# Allegro board BRD_05101_01_rev_b01_aa.brd (continued)
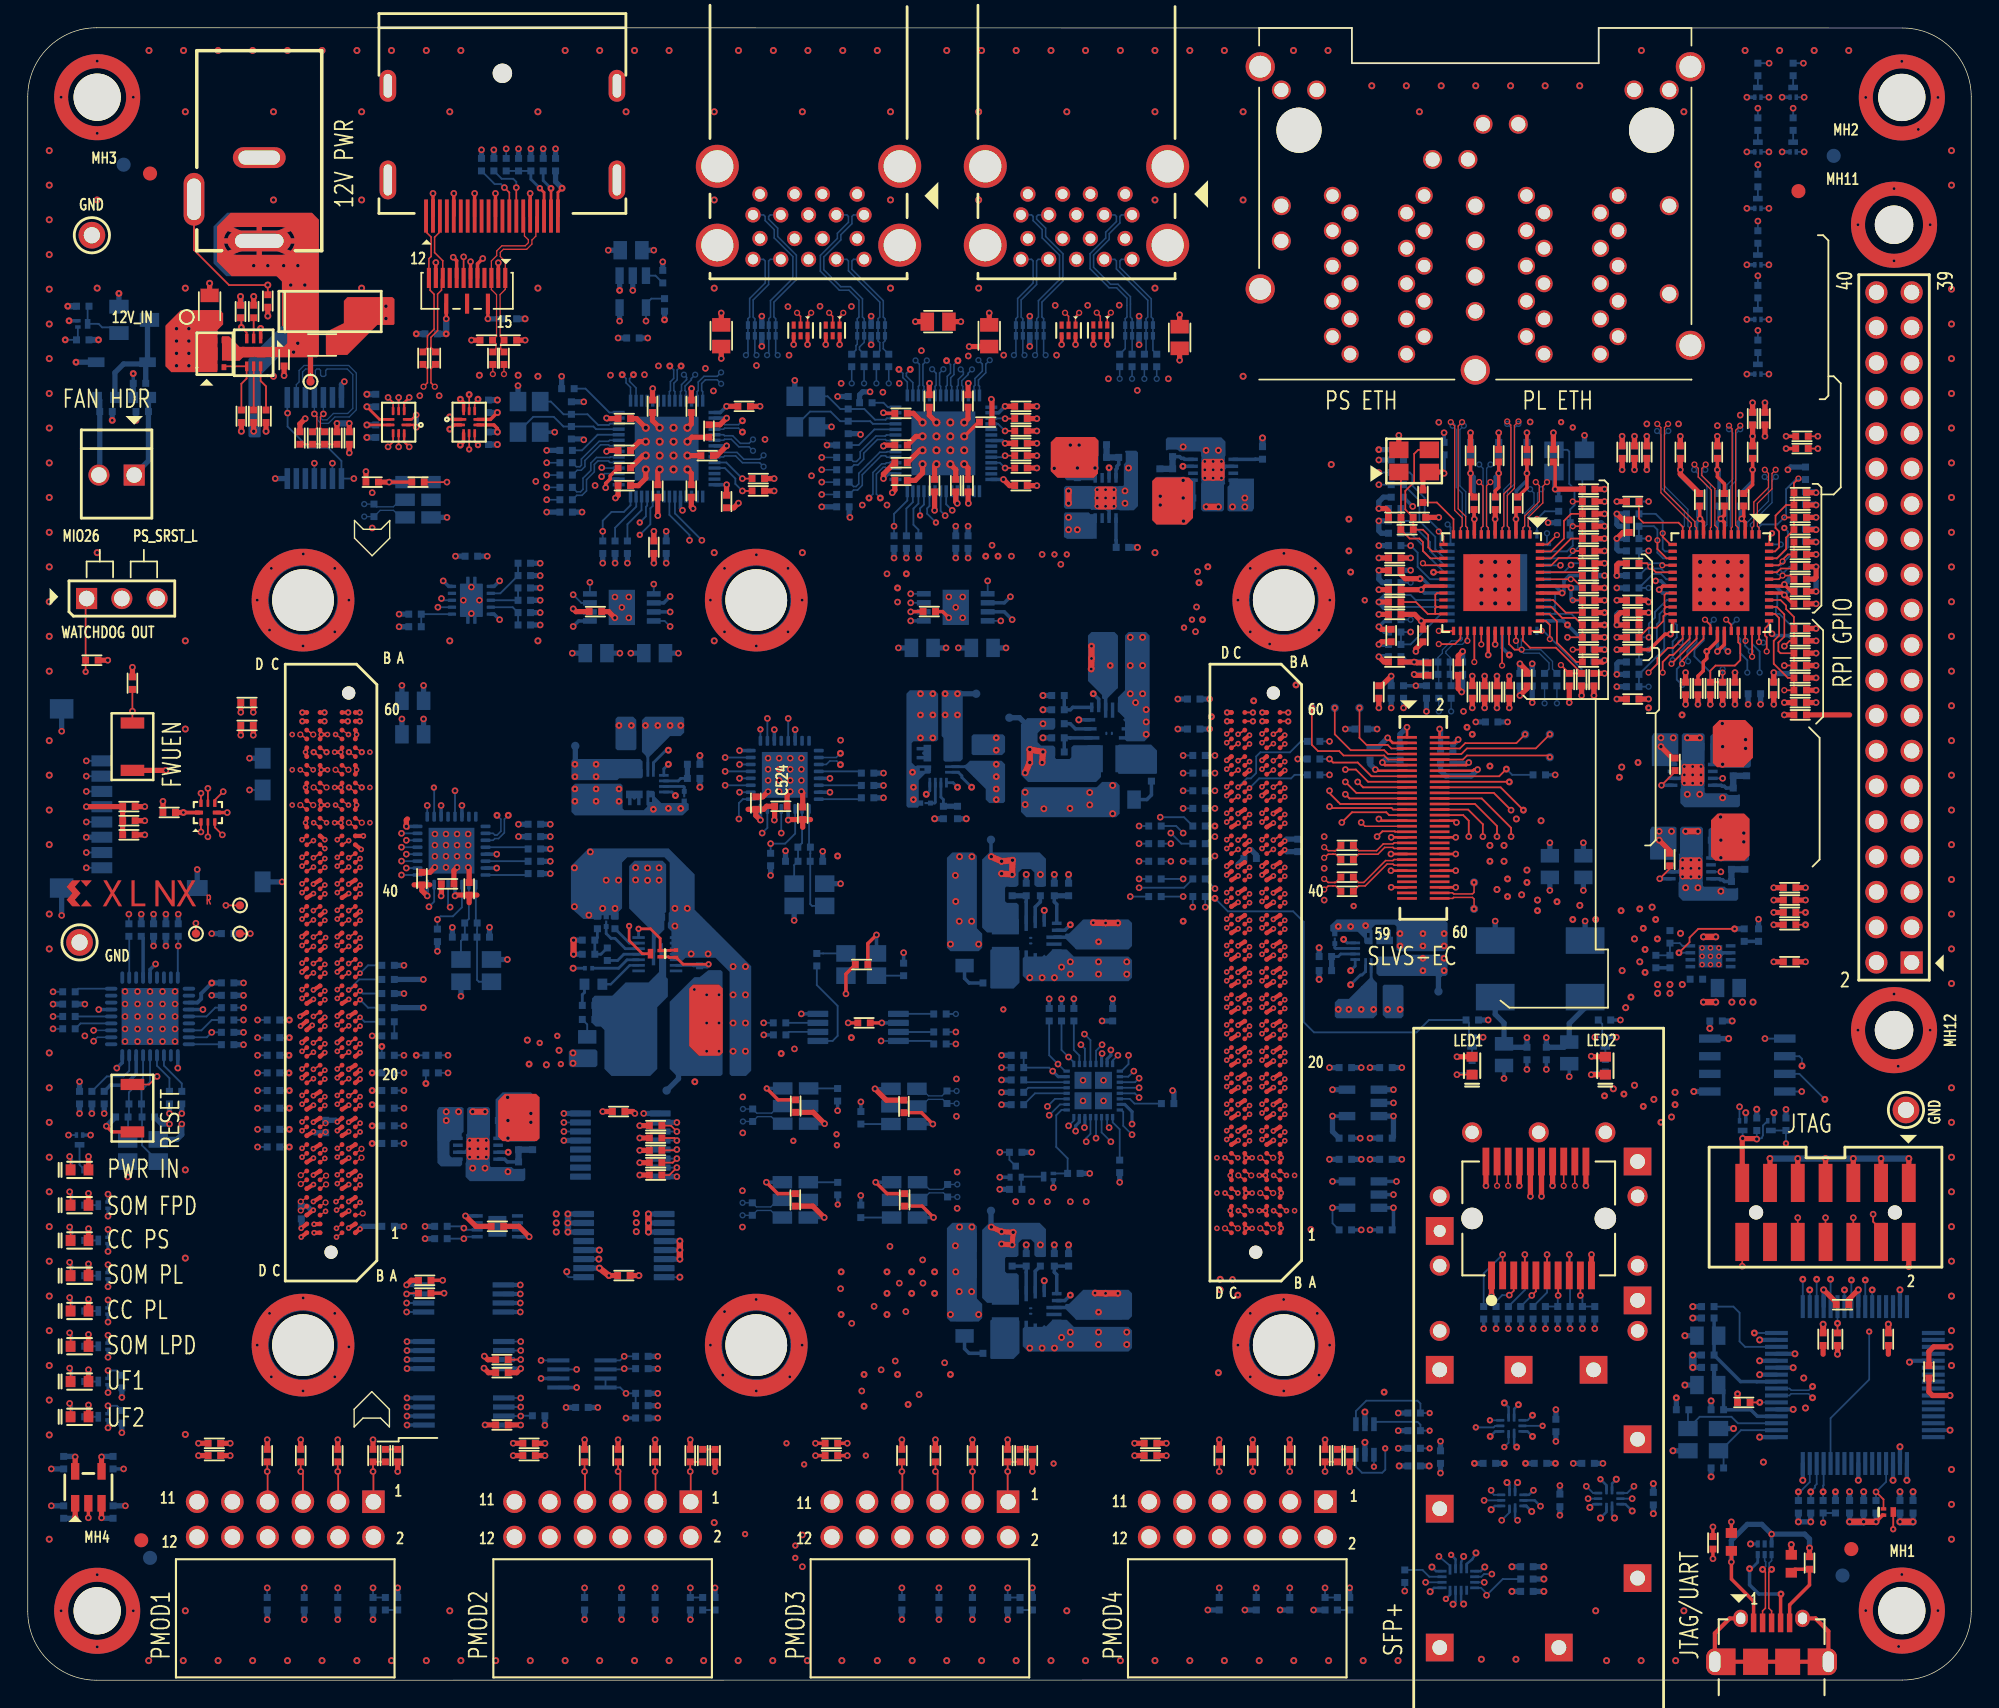
[diagram p0: board, top side]
## Routing (per net, layer and track width the routed paths; a pad name or vN(x,y) marks a point on that pad's centre or on a via; arc(x,y) is an arc through that point) (continued)
  L12_SIG w0.127: J17.1 5.57,105.01 ; J17.1 3.67,103.11 ; J17.1 3.67,105.01 ; J17.1 4.62,105.33 ; J17.1 5.57,103.11 ; J17.1 5.89,104.06 ; J17.1 3.35,104.06 ; J17.1 4.62,102.79
  L12_SIG w0.381: U46.22 82.12,111.13 ; U46.22 80.58,110.56 ; U46.22 84.23,109.02 ; U46.22 82.12,106.91 ; U46.22 83.66,110.56 ; U46.22 83.66,107.48 ; U46.22 80.01,109.02 ; U46.22 80.58,107.48 ; 59.62,11.15 J19.10 ; J19.10 59.34,10.31 ; J19.10 60.46,9.2 ; J19.10 61.58,10.31 ; J19.10 60.46,11.43 ; J19.10 61.3,11.15 ; J19.10 61.3,9.47 ; J19.10 59.62,9.47 ; 66.87,109.02 U46.19 ; U46.19 68.98,106.91 ; U46.19 67.44,107.48 ; U46.19 67.44,110.56 ; U46.19 68.98,111.13 ; U46.19 71.09,109.02 ; U46.19 70.52,107.48 ; U46.19 70.52,110.56 ; U44.20 49.67,105.45 ; U44.20 51.22,101.8 ; U44.20 48.13,104.88 ; U44.20 47.57,103.34 ; U44.20 49.67,101.23 ; U44.20 51.78,103.34 ; U44.20 51.22,104.88 ; U44.20 48.13,101.8 ; 52.11,107.66 U44.4 ; U44.4 53.57,107.02 ; U44.4 52.74,107.85 ; U44.4 51.92,107.02 ; U44.4 52.11,106.38 ; U44.4 53.38,107.66 ; U44.4 53.38,106.38 ; U44.4 52.74,106.19 ; 48.13,107.48 U44.19 ; U44.19 51.78,109.02 ; U44.19 49.67,111.13 ; U44.19 49.67,106.91 ; U44.19 47.57,109.02 ; U44.19 51.22,107.48 ; U44.19 51.22,110.56 ; U44.19 48.13,110.56 ; U46.20 70.52,101.8 ; U46.20 71.09,103.34 ; U46.20 68.98,105.45 ; U46.20 70.52,104.88 ; U46.20 68.98,101.23 ; U46.20 67.44,101.8 ; U46.20 66.87,103.34 ; U46.20 67.44,104.88 ; 60.71,109.02 U44.22 ; U44.22 64.36,107.48 ; U44.22 64.92,109.02 ; U44.22 62.81,106.91 ; U44.22 62.81,111.13 ; U44.22 61.27,110.56 ; U44.22 64.36,110.56 ; U44.22 61.27,107.48 ; 24.78,116.53 J6.23 ; J6.23 27.1,114.82 ; J6.23 25.94,116.53 ; J6.23 24.78,113.11 ; J6.23 24.78,114.82 ; J6.23 27.1,113.11 ; J6.23 25.94,113.11 ; J6.23 27.1,116.53 ; U44.21 64.36,104.88 ; U44.21 61.27,101.8 ; U44.21 64.36,101.8 ; U44.21 62.81,105.45 ; U44.21 62.81,101.23 ; U44.21 64.92,103.34 ; U44.21 60.71,103.34 ; U44.21 61.27,104.88 ; U46.13 72.88,103.82 ; U46.13 71.41,103.18 ; U46.13 72.05,104.65 ; U46.13 72.69,104.46 ; U46.13 72.69,103.18 ; U46.13 72.05,102.99 ; U46.13 71.41,104.46 ; U46.13 71.22,103.82 ; 71.41,107.66 U46.4 ; U46.4 72.69,107.66 ; U46.4 72.88,107.02 ; U46.4 71.41,106.38 ; U46.4 72.69,106.38 ; U46.4 72.05,106.19 ; U46.4 71.22,107.02 ; U46.4 72.05,107.85 ; U44.16 56.88,101.68 ; U44.16 56.88,102.96 ; U44.16 56.24,101.49 ; U44.16 56.24,103.15 ; U44.16 57.07,102.32 ; U44.16 55.61,101.68 ; U44.16 55.42,102.32 ; U44.16 55.61,102.96 ; J19.9 61.3,13.69 ; J19.9 61.58,12.85 ; J19.9 59.62,13.69 ; J19.9 60.46,13.97 ; J19.9 59.34,12.85 ; J19.9 59.62,12.01 ; J19.9 61.3,12.01 ; J19.9 60.46,11.74 ; 41.28,114.82 J6.22 ; J6.22 43.6,116.53 ; J6.22 41.28,116.53 ; J6.22 43.6,113.11 ; J6.22 41.28,113.11 ; J6.22 42.44,113.11 ; J6.22 43.6,114.82 ; J6.22 42.44,116.53 ; J20.10 83.32,11.43 ; J20.10 84.16,9.47 ; J20.10 82.2,10.31 ; J20.10 84.44,10.31 ; J20.10 84.16,11.15 ; J20.10 83.32,9.2 ; J20.10 82.48,9.47 ; J20.10 82.48,11.15 ; 52.11,103.18 U44.13 ; U44.13 53.38,103.18 ; U44.13 51.92,103.82 ; U44.13 52.11,104.46 ; U44.13 52.74,102.99 ; U44.13 52.74,104.65 ; U44.13 53.38,104.46 ; U44.13 53.57,103.82 ; 75.55,101.49 U46.16 ; U46.16 75.55,103.15 ; U46.16 76.19,101.68 ; U46.16 76.38,102.32 ; U46.16 74.72,102.32 ; U46.16 74.91,101.68 ; U46.16 74.91,102.96 ; U46.16 76.19,102.96 ; 14.22,109.65 J12.2 ; J12.2 14.22,108.34 ; J12.2 19.14,110.96 ; J12.2 16.68,108.34 ; J12.2 14.22,110.96 ; J12.2 16.68,110.96 ; J12.2 19.14,108.34 ; J12.2 19.14,109.65 ; 82.48,13.69 J20.9 ; J20.9 84.16,12.01 ; J20.9 84.16,13.69 ; J20.9 83.32,11.74 ; J20.9 83.32,13.97 ; J20.9 84.44,12.85 ; J20.9 82.48,12.01 ; J20.9 82.2,12.85 ; 13.9,11.15 J2.10 ; J2.10 14.74,9.2 ; J2.10 15.86,10.31 ; J2.10 15.58,11.15 ; J2.10 13.9,9.47 ; J2.10 15.58,9.47 ; J2.10 14.74,11.43 ; J2.10 13.62,10.31 ; 74.91,104.88 U46.7 ; U46.7 74.72,105.52 ; U46.7 76.38,105.52 ; U46.7 76.19,106.16 ; U46.7 76.19,104.88 ; U46.7 75.55,106.35 ; U46.7 75.55,104.69 ; U46.7 74.91,106.16 ; 80.58,101.8 U46.21 ; U46.21 82.12,101.23 ; U46.21 82.12,105.45 ; U46.21 83.66,101.8 ; U46.21 84.23,103.34 ; U46.21 80.01,103.34 ; U46.21 80.58,104.88 ; U46.21 83.66,104.88 ; J6.24 26.85,106.33 ; J6.24 25.04,106.33 ; J6.24 25.94,109.74 ; J6.24 25.04,109.74 ; J6.24 26.85,108.04 ; J6.24 25.04,108.04 ; J6.24 26.85,109.74 ; J6.24 25.94,106.33 ; 41.54,109.74 J6.21 ; J6.21 43.35,108.04 ; J6.21 42.44,109.74 ; J6.21 43.35,109.74 ; 55.61,106.16 U44.7 ; U44.7 56.88,106.16 ; U44.7 56.24,104.69 ; U44.7 55.42,105.52 ; U44.7 57.07,105.52 ; U44.7 55.61,104.88 ; U44.7 56.24,106.35 ; U44.7 56.88,104.88 ; J2.9 15.58,12.01 ; J2.9 14.74,13.97 ; J2.9 13.62,12.85 ; J2.9 15.86,12.85 ; J2.9 15.58,13.69 ; J2.9 13.9,12.01 ; J2.9 14.74,11.74 ; J2.9 13.9,13.69
  BOTTOM w0.178: v2(105.35,17.56) 105.71,17.92 U71.3 ; U22.10 103.26,5.67 v7(103.44,5.49) ; U22.5 104.66,7.85 v7(104.96,8.15) ; v7(105.42,12.28) 105.69,12.55 U25.3 ; v5(107.32,11.52) 107.14,11.7 U25.1 ; v7(112.53,12.44) 112.77,12.68 U64.3 ; v7(113.29,11.68) 113.73,12.11 U64.2 ; U22.16 101.45,7.85 v7(101.15,8.15) ; U22.11 102.86,5.65 v7(102.67,5.47) ; U64.1 114.13,11.86 v7(114.31,11.68)
  BOTTOM w0.203: U4.1 v2(96.37,54.34) ; v2(63.74,65.39) U5.1 ; U3.1 v2(45.07,62.72)
  BOTTOM w0.229: v5(77.39,45.13) 77.35,45.1 U19.30 ; U19.14 76.15,39.83 v5(76.12,39.8) ; Q17.2 v5(5.78,23.25) ; Q7.2 v5(5.78,33.41) ; Q8.2 v5(5.78,30.87) ; Q10.2 v5(5.78,25.79) ; Q23.2 v5(5.78,18.17) ; Q9.2 v5(5.78,28.33) ; Q22.2 v5(5.78,20.71)
  BOTTOM w0.254: C434.2 v5(106.35,43.33) ; C435.2 v5(108,43.99) ; U10.6 77.89,84.24 77.79,84.35 77.79,84.99 v8(77.64,85.14) ; U38.28 v5(10.81,44.08) ; Q25.2 v5(104.84,46.3) ; Q32.2 v5(123.84,94.06) ; v2(47.04,62.78) 47.29,63.04 Z4.1 ; U92.2 v5(58.94,49.43) ; R476.2 v5(114.73,47.54) ; C444.2 124.25,86.35 v5(124.25,87.17) C471.2 ; U14.11 v7(41.14,30.33) ; R31.2 41.06,54.99 ; C503.2 v5(105.96,86.91) 105.71,86.66 C167.2 ; v8(85.39,87.17) 85.53,87.31 86.18,87.31 86.29,87.42 86.84,87.42 ; U9.6 119.04,64.95 119.15,65.05 119.79,65.05 v8(119.93,65.2) ; R418.2 97.84,76.37 v5(97.33,75.87) 97.71,75.48 R423.2 ; Q26.2 v5(114.44,46.3) ; Z2.1 94.15,54.02 v2(94.41,54.28) ; v8(119.81,58.47) 119.67,58.32 119.02,58.32 118.91,58.22 118.36,58.22 ; X1.4 v7(124.11,9.81) ; R427.2 110.28,85.52 v5(110.03,85.77) 109.94,85.86 109.94,87 ; U75.4 v5(36.12,31.94) ; Q13.2 v7(123.76,40.87) ; Z1.1 41.67,55.33 v7(41.41,55.58) ; Q29.2 v5(123.84,114) ; R332.2 v5(95.99,39.04) ; C64.2 v5(43.09,18.88) ; R343.1 v5(109.33,25.32) ; C491.2 107.23,85.64 108,86.41 v5(108,86.91) C509.2 ; X11.2 v5(7.2,36.24) ; C433.2 v5(109.39,43.99) ; v5(39.29,75.88) 39.69,76.28 U45.1 ; Q30.2 v5(123.84,110.06) ; U91.4 v5(55.73,47.99) ; C473.2 v5(121.71,87.17) 121.84,87.04 C461.2 ; v5(33.99,76.37) 33.59,76.77 U13.5 ; C493.2 v5(102.03,86.91) ; U83.23 v5(57.79,63.95) ; Q31.2 v5(123.84,101.93) ; U11.6 122.12,52.38 122.01,52.28 121.36,52.28 v8(121.22,52.13) ; U85.3 v5(27.32,19.68) ; R344.1 v5(111.99,25.32) ; Q27.2 v5(126.38,110.06) ; Q12.2 v7(125.79,40.87) ; U89.3 v5(57.4,40.08) ; U87.3 v5(57.38,33.32) ; U74.2 v5(98.38,41.58) ; C469.2 v5(119.05,87.17) 119.05,86.73 C445.2 ; U88.3 v5(61.03,42.59) ; v8(32.43,38.27) 32.29,38.13 31.64,38.13 31.54,38.02 U7.6 ; U24.47 v7(138.47,18.01) ; C492.2 v5(103.93,86.91) 104.19,86.66 C160.2 ; Q28.2 v5(123.84,97.99) ; U47.1 v5(63.6,76.29) ; Q3.2 v5(126.38,114) ; U85.4 v5(27.32,20.33) ; Z5.1 64.05,63.17 ; Q4.2 v5(123.84,106) ; Q34.2 v5(73.88,35.47) ; Q20.2 v2(2.98,97.9) ; U16.1 v5(39.54,21.08) ; U85.1 v5(27.32,18.38) ; C432.2 v5(111.04,43.46) ; U90.3 v5(61.08,35.86) ; U73.2 v5(98.38,34.97) ; X13.2 v5(37.96,89.88) ; R167.2 v5(6.9,15.22) ; U37.23 v5(33.78,58.49) ; R328.2 v5(96.06,32.43) ; Q6.2 v5(4.52,39.26)
  BOTTOM w0.305: U24.10 v7(124.76,22.01) ; U24.11 v7(127.17,22.51) ; U24.13 v7(127.3,23.51) ; U24.15 v7(124.76,24.51) ; U76.2 v5(35.48,27.82) ; U24.25 v7(131.87,28.11) ; U15.3 v5(27.32,23.74) ; U24.35 v7(138.47,24.01) ; U76.4 v5(35.48,26.52) ; U15.4 v5(27.32,24.39) ; U76.3 v5(35.48,27.17) ; U15.2 v5(27.32,23.09) ; U24.51 v7(134.37,14.4) ; U24.5 v7(127.17,19.51) ; U24.1 v7(124.76,17.51)
  BOTTOM w0.381: C278.1 v5(37.64,59.86) ; R134.2 15.39,99.59 v7(15.33,99.65) ; R291.2 v7(71.93,58.02) ; J11.11 v5(12.21,58.38) ; C415.2 v5(92.63,5.06) ; v1(87.19,58.6) 87.19,58.76 C585.2 ; U14.4 v7(46.97,31.63) ; C413.2 v5(95.23,6.65) ; C393.2 v5(45.19,4.36) ; C152.2 v5(104.95,70.02) ; C448.2 128.7,79.29 128.82,79.17 128.82,78.41 v5(128.83,78.41) C482.2 ; C82.2 v7(121.26,20.11) ; C52.2 v5(36.91,75.99) ; C490.2 113.52,74.28 v5(113.59,74.21) ; C265.2 v5(44.66,96.66) ; C554.2 113.33,83.36 v5(113.59,83.1) ; C562.2 v5(5.51,40.81) ; C430.2 v5(96.06,44.12) ; C290.2 v5(37.38,84.12) ; C380.2 v5(17.25,4.36) ; C90.2 v7(132.25,11.41) v7(133.14,11.41) R262.2 ; C439.2 128.77,82.02 v5(128.83,81.96) ; R473.2 v5(6.78,20.36) ; C583.2 v5(82.85,68.5) ; C91.2 v5(110.37,11.88) ; R424.2 v5(99.87,72.44) ; R428.2 v5(4.62,40.81) ; C273.2 v5(37.64,60.75) ; C478.2 114.6,76.88 114.47,76.75 114.47,75.99 v5(114.47,75.99) C463.2 ; C80.2 v7(109.22,8.17) ; C574.2 v5(9.95,55.17) ; C329.2 v5(38.78,19.64) ; R377.2 126.99,87.36 v5(126.79,87.17) ; C566.2 v5(30.58,54.21) ; U14.5 v7(46.97,30.98) ; X14.4 v5(58.55,57.36) ; C395.2 v5(42.78,4.36) ; C387.2 v5(1.7,12.56) ; C499.2 v5(99.11,70.02) ; v5(128.83,85.52) 128.76,85.59 C453.2 ; X2.4 v7(122.88,18.12) ; C486.2 v5(114.47,74.21) ; R489.2 v5(72.31,38.02) ; 119.6,16.52 v7(118.52,16.52) ; C103.2 v7(121.26,14.65) ; R419.2 v5(97.33,84.37) 97.33,84.87 97.65,85.19 R420.2 ; C104.2 v2(118.76,20.34) ; R51.2 v5(36.91,78.66) ; C407.2 v5(68.05,4.36) ; C560.2 v5(15.54,49.32) ; C83.2 v7(119.95,22.53) ; v5(97.58,66.09) 97.77,66.27 C542.2 ; R438.2 v5(64.18,80.82) ; C163.2 v5(97.33,79.93) 97.33,79.93 97.33,79.29 97.58,79.04 R417.2 ; C479.2 v5(115.74,89.58) ; C531.2 v5(67.74,80.82) ; U67.3 v5(60.75,98.23) ; C572.2 v5(58.34,92.44) ; R162.2 v5(27.1,51.48) ; C365.2 v5(38.02,110.28) ; R117.2 v5(113.58,75.1) ; R202.2 v5(33.57,110.21) ; X14.2 v5(55.21,54.72) ; C575.2 v5(112.06,60.31) ; U68.8 v5(80.06,96.17) ; C487.2 v5(97.33,73.71) ; R367.2 v5(114.47,82.22) 114.47,82.21 114.47,81.45 114.6,81.33 R366.2 ; C102.2 v7(100.96,15.43) ; R439.2 v5(63.29,80.82) ; C92.2 v7(109.22,6.4) ; J11.6 v5(4.22,60.71) ; C538.2 v5(106.6,69.01) ; U18.2 v5(46.76,40.16) ; J11.12 v5(18.32,57.49) ; R390.2 v5(128.83,73.07) ; R43.2 v7(71.93,31.35) ; C571.2 v5(57.27,59.69) ; C481.2 v5(114.47,77.77) ; C475.2 v5(114.47,70.66) ; U68.3 v5(80.06,98.23) ; C428.2 v5(96.06,37.51) ; C522.2 v5(57.2,84.5) ; C266.2 v5(45.1,102.98) ; R222.2 v5(37.38,88.57) ; C540.2 96.69,65.96 v5(97.07,65.58) ; C584.2 v5(82.85,70.66) ; R174.2 v5(35.35,110.28) ; R50.2 v5(26.75,75.87) ; C100.2 v5(101.77,17.21) ; C532.2 v5(37.64,61.64) ; R475.2 v5(105.2,47.54) ; C311.2 v5(39.23,73.96) ; R213.2 v5(37.64,58.09) ; U23.2 v7(96.33,19.32) ; C210.2 v2(7.79,90.73) ; C366.2 v5(36.24,110.28) ; C559.2 v5(1.82,48.69) ; X15.2 v5(57.9,90.26) ; C285.2 v5(45.1,80.45) ; C85.2 v7(119.95,26.08) ; X15.4 v5(55.25,93.6) ; C553.2 v5(109.52,83.36) ; U86.3 v5(30.2,83.74) ; R26.2 v7(67.61,62.04) ; C391.2 v5(47.73,4.36) ; C98.2 v7(131.24,11.41) ; C50.2 v5(33.1,80.95) ; C431.2 v5(96.69,44.12) ; C84.2 v7(119.95,23.41) ; C558.2 v5(15.54,50.22) ; U33.2 v5(43.58,100.09) ; R44.2 v5(27.1,32.69) ; C539.2 101.77,65.5 102.15,65.12 103.98,65.12 v5(104.44,65.58) ; C353.2 v5(28.51,69.22) ; C81.2 v2(110.05,15.62) ; R42.2 v7(73.95,31.35) ; R2.2 v7(73.13,67.86) ; C561.2 v5(3.73,40.81) ; R163.2 v5(28.49,50.47) ; R458.2 C154.2 v5(112.82,70.91) ; R292.2 v7(73.95,58.02) ; C344.2 v5(24.81,46.4) ; C354.2 v5(28.51,71.64) ; C101.2 v2(104.21,15.62) ; U14.6 v7(46.97,30.33) ; C312.2 v5(46.87,73.96) ; C483.2 v5(125.14,92) ; R402.2 v5(114.47,84.88) ; R5.2 v7(73.13,69.89) ; C409.2 v5(65.64,4.36) ; C314.2 v5(70.47,74.34) ; R200.2 v5(37.13,110.28) ; v1(90.55,60.44) 90.68,60.57 C586.2 ; C570.2 v5(54.59,59.72) ; U18.1 v5(44.37,40.81) ; C175.2 v5(8.17,55.17) ; C468.2 v5(116.63,87.17) ; C573.2 59.93,89.77 v5(59.99,89.71) ; C568.2 v5(40.05,92.06) ; v5(27.98,90.23) v5(27.98,91.12) ; R165.2 v5(28.49,48.43) ; U69.3 v5(72.18,98.23) ; R116.2 v5(113.59,77.77) ; C485.2 v5(125.78,70.28) ; C399.2 v5(40.11,4.36) ; U66.3 v5(52.88,98.23) ; C423.2 v5(85.01,5.06) ; X11.4 10.75,38.95 11.1,39.29 v5(11.1,40.05) ; C401.2 v5(72.37,6.65) ; C465.2 v5(128.83,70.4) ; R465.2 v5(11.09,40.81) ; U69.8 v5(72.18,96.06) ; R396.2 v5(122.09,70.28) ; R263.2 v5(13.25,53.77) ; X13.4 v5(35.31,93.22) ; v5(113.58,79.55) C501.2 C497.2 ; C500.2 113.54,81.28 v5(113.59,81.33) ; C86.2 v7(122.78,47.47) ; C541.2 v5(94.91,68.5) ; R241.2 v7(109.22,7.29) ; C543.2 103.74,66.02 v5(103.81,66.09) ; v5(40.05,89.33) 39.99,89.39 C569.2 ; 6.57,98.91 v2(6.57,99.87) ; U29.7 v5(17.83,86.53) ; R441.2 v5(57.58,88.95) ; C373.2 v5(24.87,4.36) ; J11.9 v5(2.44,68.34) ; R487.2 v5(37.25,18.36) ; C508.2 v5(98.22,70.02) ; v5(123.93,70.28) C442.2 ; C75.2 v5(78.15,49.07) ; C533.1 v5(61.64,65.32) ; U66.8 v5(52.88,96.06) ; R432.2 v5(61.64,63.55) ; C429.2 v5(96.69,37.51) ; C51.2 v5(36.91,80.44) ; X12.4 v5(34.55,51.9) ; C582.2 20.14,34.13 20.42,33.85 v1(20.57,33.85) ; C484.2 v5(124.25,92) ; X9.4 v5(112.14,89.65) ; C73.2 v5(45.38,19.77) ; R422.2 103.37,71.24 v5(103.3,71.17) ; v5(10.21,40.05) 9.64,40.05 C564.2 ; C95.2 v7(135.81,11.41) ; C355.2 v7(134.87,11.41) ; U18.8 v5(46.76,36.26) ; C419.2 v5(90.22,5.06) ; C378.2 v5(19.92,4.36) ; C548.2 v5(70.15,45) ; C176.2 v5(9.06,55.17) ; C105.2 v7(117.1,14.16) ; C304.2 v5(45.99,80.45) ; C466.2 v5(122.98,70.28) ; J11.14 v5(15.98,66.4) ; C421.2 v5(87.68,5.06) ; U26.5 v7(120.02,42.39) ; C498.2 v5(107.49,70.91) ; R219.2 v5(43.2,80.45) ; C99.2 v5(111.33,15.62) ; J11.10 v5(2.44,55.08) ; R440.2 59.92,92.56 60.14,92.78 v5(60.68,92.78) ; C375.2 v5(22.33,4.36) ; C356.2 v5(110.08,19.49) ; C502.2 v5(108.38,70.4) ; C371.2 v5(26.65,6.65) ; C403.2 v5(70.59,4.36) ; R369.2 v5(114.47,71.55) ; R203.2 v5(32.69,110.21) ; R389.2 v5(128.83,74.85) ; C576.2 v5(109.65,60.31) ; C313.2 v5(62.72,74.34) ; C389.2 v5(49.51,6.65) ; X12.2 v5(31.2,49.26) ; C563.2 v5(5.66,39.9) ; C521.2 v5(66.85,80.82) ; C89.2 v5(124.68,54.8) ; C411.2 v5(62.97,4.36) ; R421.2 v5(97.33,87.87) ; v1(20.58,39.51) 20.67,39.42 C581.2 ; C489.2 v5(100.76,69.77) ; C209.2 v2(6.08,90.73) ; C470.2 v5(114.85,89.58) ; C567.2 v5(33.26,54.22) ; C155.2 v5(105.84,70.02) ; R221.2 v5(38.46,93.9) ; C237.2 v5(1.7,15.22) ; R474.2 v5(6.78,17.82) ; R16.2 v7(48.42,66.59) ; R20.2 v7(93.03,50.47) ; R164.2 v5(27.1,49.45) ; U67.8 v5(60.75,96.17) ; C153.2 v5(97.33,80.82)
  BOTTOM w0.432: C109.2 v7(24.43,92.61) ; C270.2 v7(35.82,98.04) ; C108.2 v7(24.43,89.5) ; R261.2 v2(5.09,96.52) ; C115.2 v7(33.83,88.99) ; C269.2 v2(27.99,96.96) ; C114.2 v7(33.83,92.19)
  BOTTOM w0.457: v7(135.51,37.57) v7(133.51,37.57) v7(131.51,37.57) v7(129.51,37.57) v7(127.51,37.57) v7(125.51,37.57) ; v7(46.97,30.33) v7(46.97,30.98) v7(46.97,31.63)
  BOTTOM w0.559: v7(135.81,11.41) v7(134.87,11.41) ; v7(132.25,11.41) v7(131.24,11.41) ; v7(119.95,23.41) v7(119.95,22.53)
  vias: v2(39.42,64.18) v2(39.42,63.29) v2(40.94,64.18) v2(40.94,63.29) v2(42.59,64.18) v2(42.59,63.29) v2(46.15,62.78) v2(63.8,64.31) v2(63.8,63.42) v2(64.31,71.04) v2(64.31,69.52) v2(64.31,67.86) v2(65.2,71.04) v2(65.2,69.52) v2(65.2,67.86) v2(95.3,54.28) v2(97.96,48.31) v2(98.85,53.77) v2(98.85,52.88) v2(98.85,48.31) v2(100.5,53.77) v2(100.5,52.88) v2(102.03,53.77) v2(102.03,52.88) v5(4.11,46.4) v5(7.01,49.6) v5(7.01,48.7) v5(7.01,47.8) v5(7.01,46.9) v5(7.01,46) v5(7.91,49.6) v5(7.91,48.7) v5(7.91,47.8) v5(7.91,46.9) v5(7.91,46) v5(8.81,49.6) v5(8.81,48.7) v5(8.81,47.8) v5(8.81,46.9) v5(8.81,46) v5(9.71,49.6) v5(9.71,48.7) v5(9.71,47.8) v5(9.71,46.9) v5(9.71,46) v5(10.61,49.6) v5(10.61,48.7) v5(10.61,47.8) v5(10.61,46.9) v5(10.61,46) v5(24.81,85.52) v5(24.81,82.98) v5(28.24,92.5) v5(29.33,60.94) v5(29.33,60.14) v5(29.33,59.34) v5(29.64,92.5) v5(30.13,60.94) v5(30.13,60.14) v5(30.13,59.34) v5(30.13,58.54) v5(30.93,60.94) v5(30.93,60.14) v5(30.93,59.34) v5(31.38,77.77) v5(31.73,60.94) v5(31.73,60.14) v5(31.73,59.34) v5(31.96,78.72) v5(31.96,76.82) v5(32.53,77.77) v5(36.6,86.33) v5(40.87,86.04) v5(41.98,93.98) v5(42.3,78.01) v5(42.8,77.26) v5(43.3,78.01) v5(43.3,76.51) v5(44.43,94.02) v5(45.43,94.65) v5(48.82,94.47) v5(49.39,92.85) v5(51.51,42.01) v5(51.51,39.42) v5(51.48,35.25) v5(51.48,32.63) v5(52.49,94.68) v5(53.11,89.36) v5(53.33,66.4) v5(53.33,65.6) v5(53.33,64.8) v5(54.13,66.4) v5(54.13,65.6) v5(54.13,64.8) v5(54.13,64) v5(54.76,98.92) v5(54.84,95.42) v5(54.93,66.4) v5(54.93,65.6) v5(54.93,64.8) v5(55.23,45.46) v5(55.73,66.4) v5(55.73,65.6) v5(55.73,64.8) v5(55.8,10.46) v5(55.8,8.17) v5(56.46,86.74) v5(57.07,98.94) v5(58.59,93.39) v5(58.56,67.69) v5(58.56,28.19) v5(59.33,98.93) v5(59.36,25.7) v5(60.12,84.63) v5(60.08,20.83) v5(60.97,26.92) v5(61.48,22.35) v5(61.6,92.75) v5(61.9,84.63) v5(61.9,79.68) v5(62.11,31.24) v5(62.49,22.99) v5(62.66,77.64) v5(62.78,93.39) v5(62.78,28.6) v5(63.25,26.54) v5(64.21,20.57) v5(64.38,95.75) v5(64.47,30.27) v5(64.49,28.6) v5(66.05,22.86) v5(66.35,78.01) v5(66.85,77.26) v5(66.9,43.3) v5(66.9,40.61) v5(66.95,36.6) v5(66.95,33.98) v5(67.35,78.01) v5(67.35,76.51) v5(67.75,95.36) v5(69.47,81.73) v5(70.3,95.42) v5(70.86,80.95) v5(73.07,81.07) v5(74.01,99.01) v5(74.11,95.42) v5(74.42,80.36) v5(76.02,43.2) v5(76.02,41.73) v5(76.35,99.01) v5(77.49,43.2) v5(77.49,41.73) v5(77.85,93.72) v5(78.63,99.02) v5(79.93,92.88) v5(82.17,93.72) v5(84.12,75.51) v5(84.2,77.29) v5(84.27,79.83) v5(93.39,60.75) v5(93.39,58.47) v5(93.39,56.18) v5(101.65,90.59) v5(103.42,69.77) v5(108.23,90.61) v5(116.63,90.47) v5(118.92,90.47) v5(121.71,90.34) v5(123.36,91.11) v6(2.4,114) v6(2.4,5) v6(5,116.6) v6(5,111.4) v6(5,7.6) v6(5,2.4) v6(7.6,114) v6(7.6,5) v6(16.53,77.78) v6(16.53,24.13) v6(17.42,75.62) v6(17.42,26.42) v6(17.54,80.07) v6(17.54,21.85) v6(19.83,74.48) v6(19.83,20.83) v6(22.12,80.07) v6(22.12,75.5) v6(22.12,26.42) v6(22.12,21.85) v6(23.13,77.78) v6(23.13,24.01) v6(49.18,77.78) v6(49.18,24.13) v6(50.07,21.97) v6(50.19,80.07) v6(50.19,75.5) v6(50.19,26.55) v6(52.48,74.48) v6(52.48,20.83) v6(54.77,80.07) v6(54.77,75.5) v6(54.89,26.42) v6(54.89,21.85) v6(55.78,77.78) v6(55.78,24.13) v6(86.79,28.88) v6(87.18,77.78) v6(87.18,24.13) v6(88.07,80.07) v6(88.07,75.5) v6(88.07,26.42) v6(88.07,21.85) v6(89.46,74.62) v6(90.48,20.83) v6(92.77,80.07) v6(92.89,26.42) v6(93.02,75.62) v6(93.02,21.97) v6(93.79,77.78) v6(93.78,24.13) v6(131.84,104.81) v6(131.84,46.81) v6(132.4,113.98) v6(132.4,5.01) v6(134.44,107.41) v6(134.44,102.21) v6(134.44,49.41) v6(134.74,44.21) v6(135,116.58) v6(135,7.61) v6(136.19,111.68) v6(137.04,104.81) v6(137.04,46.81) v6(137.6,113.98) v6(137.6,5.01) v7(1.55,110.15) v7(1.55,107.66) v7(1.55,105.17) v7(1.55,102.66) v7(1.55,100.17) v7(1.55,97.66) v7(1.55,95.17) v7(1.55,92.66) v7(1.55,90.17) v7(1.55,87.66) v7(1.55,85.17) v7(1.55,82.66) v7(1.55,80.17) v7(1.55,77.66) v7(1.55,75.17) v7(1.55,72.66) v7(1.55,67.66) v7(1.55,65.17) v7(1.55,62.66) v7(1.55,60.17) v7(1.55,55.17) v7(1.55,52.66) v7(1.55,45.17) v7(1.55,42.66) v7(1.55,40.17) v7(1.55,37.66) v7(1.55,35.17) v7(1.55,32.66) v7(1.55,30.17) v7(1.55,27.66) v7(1.55,25.17) v7(1.55,22.66) v7(1.55,20.17) v7(1.55,17.66) v7(1.55,10.15) v7(5,106.6) v7(5,100.25) v7(5,81.2) v7(8.73,117.36) v7(8.71,1.41) v7(11.22,117.36) v7(11.2,1.41) v7(11.35,112.95) v7(11.35,100.25) v7(11.35,74.85) v7(11.35,68.5) v7(11.35,36.75) v7(11.35,30.4) v7(11.35,17.7) v7(11.35,5) v7(13.71,117.36) v7(13.71,1.41) v7(16.2,117.36) v7(16.2,1.41) v7(17.7,112.95) v7(17.7,106.6) v7(17.7,93.9) v7(18.71,117.36) v7(18.71,1.41) v7(21.2,117.36) v7(21.2,1.41) v7(23.71,117.36) v7(23.71,1.41) v7(24.05,112.95) v7(24.05,106.6) v7(24.05,100.25) v7(25.8,98.95) v7(25.8,98.06) v7(26.2,117.36) v7(26.2,1.41) v7(28.71,117.36) v7(28.71,1.41) v7(30.4,112.95) v7(30.4,74.85) v7(30.4,5) v7(31.2,117.36) v7(31.2,1.41) v7(32.05,36.88) v7(32.53,93.98) v7(32.94,36.88) v7(33.71,1.41) v7(34.59,36.62) v7(35.33,93.98) v7(35.99,46.1) v7(36.2,1.41) v7(36.75,112.95) v7(36.75,100.25) v7(36.75,93.9) v7(36.75,74.85) v7(37.36,44.32) v7(38.27,45.36) v7(38.71,117.36) v7(38.71,1.41) v7(39.28,45.17) v7(39.28,44.43) v7(39.38,58.5) v7(39.38,55.71) v7(40.42,55.1) v7(40.53,59.65) v7(41.2,117.36) v7(41.2,1.41) v7(41.67,57.61) v7(42.3,55.58) v7(42.56,57.61) v7(43.1,112.95) v7(43.71,117.36) v7(43.71,1.41) v7(46.2,117.36) v7(46.2,1.41) v7(46.62,55.58) v7(46.62,54.31) v7(47.51,55.58) v7(47.79,52.31) v7(48.69,1.41) v7(49.01,52.31) v7(49.45,112.95) v7(49.45,106.6) v7(49.45,100.25) v7(49.45,81.2) v7(49.45,74.85) v7(49.45,11.35) v7(50.81,51.39) v7(50.81,49.36) v7(50.81,47.33) v7(50.81,45.3) v7(51.2,117.36) v7(51.18,1.41) v7(51.7,51.39) v7(51.7,49.36) v7(51.7,47.33) v7(51.7,45.3) v7(53.71,117.36) v7(53.67,1.41) v7(55.8,112.95) v7(55.8,81.2) v7(56.2,117.36) v7(56.16,1.41) v7(58.65,1.41) v7(58.71,117.36) v7(61.2,117.36) v7(61.2,1.41) v7(62.15,112.95) v7(62.15,106.6) v7(62.15,100.25) v7(63.71,1.41) v7(66.2,117.36) v7(66.2,1.41) v7(66.47,53.01) v7(66.47,26.34) v7(66.82,57.96) v7(66.85,56.08) v7(66.82,31.29) v7(66.85,29.41) v7(67.12,59.31) v7(67.1,54.66) v7(67.12,32.64) v7(67.1,27.99) v7(68.01,59.31) v7(67.99,54.66) v7(68.01,32.64) v7(67.99,27.99) v7(68.5,112.95) v7(68.5,106.6) v7(68.5,100.25) v7(68.5,53.01) v7(68.5,26.34) v7(68.71,117.36) v7(68.71,1.41) v7(71.2,117.36) v7(71.2,1.41) v7(71.85,63.95) v7(71.85,63.06) v7(72.18,50.59) v7(72.18,23.92) v7(73.07,50.59) v7(73.07,23.92) v7(73.2,62.76) v7(73.71,117.36) v7(73.71,1.41) v7(73.96,50.59) v7(73.96,23.92) v7(74.47,51.35) v7(74.47,24.68) v7(74.85,112.95) v7(74.85,5) v7(75.08,62.78) v7(75.1,51.74) v7(75.1,50.85) v7(75.1,25.07) v7(75.1,24.18) v7(76.2,117.36) v7(76.2,1.41) v7(76.5,63.93) v7(76.5,63.04) v7(77.14,51.74) v7(77.14,50.85) v7(77.14,25.07) v7(77.14,24.18) v7(78.15,64.44) v7(78.15,62.4) v7(78.71,117.36) v7(78.71,1.41) v7(79.04,85.64) v7(79.04,84.76) v7(79.17,51.74) v7(79.17,50.85) v7(79.17,25.07) v7(79.17,24.18) v7(79.29,87.3) v7(79.42,75.1) v7(79.42,73.07) v7(79.42,71.04) v7(79.8,70.4) v7(80.31,75.1) v7(80.31,73.07) v7(80.31,71.04) v7(80.56,69.9) v7(80.56,69.01) v7(80.56,68.12) v7(81.2,117.36) v7(81.2,112.95) v7(81.2,106.6) v7(81.2,100.25) v7(81.2,81.2) v7(81.2,1.41) v7(83.23,88.82) v7(83.71,117.36) v7(83.71,1.41) v7(84.88,88.57) v7(85.77,88.57) v7(86.2,117.36) v7(86.2,1.41) v7(87.55,112.95) v7(87.55,106.6) v7(87.55,93.9) v7(88.71,1.41) v7(91.18,117.36) v7(91.2,1.41) v7(93.67,117.36) v7(93.71,1.41) v7(93.9,87.55) v7(96.2,1.41) v7(96.82,114.82) v7(98.71,1.41) v7(99.31,114.82) v7(100.25,112.95) v7(101.82,114.82) v7(104.31,114.82) v7(104.72,1.51) v7(105.33,60.12) v7(105.84,56.94) v7(106.35,60.12) v7(106.35,58.97) v7(106.82,114.82) v7(107.23,62.02) v7(107.2,1.51) v7(107.62,56.56) v7(108,58.34) v7(108.76,56.18) v7(109.01,61.9) v7(109.31,114.82) v7(111.8,114.82) v7(111.81,55.8) v7(112.95,5) v7(113.73,1.41) v7(114.22,42.59) v7(114.82,65.76) v7(114.85,51.1) v7(115.11,48.43) v7(115.74,53.39) v7(115.74,42.85) v7(116.12,51.74) v7(116.24,117.36) v7(116.22,1.41) v7(117.01,55.67) v7(117.14,41.83) v7(118.41,40.56) v7(118.66,42.34) v7(118.71,1.41) v7(119.06,53.79) v7(119.3,112.95) v7(119.3,5) v7(119.43,57.07) v7(119.55,63.8) v7(120.32,57.07) v7(120.44,63.8) v7(121.97,56.82) v7(122.09,63.55) v7(123.71,117.36) v7(125.03,15.71) v7(126.2,117.36) v7(127.94,21.76) v7(128.06,19.6) v7(128.69,117.36) v7(131.18,117.36) v7(138.58,110.15) v7(138.58,107.66) v7(138.58,100.17) v7(138.58,97.66) v7(138.58,95.17) v7(138.58,92.66) v7(138.58,90.17) v7(138.58,87.66) v7(138.58,85.17) v7(138.58,82.66) v7(138.58,80.17) v7(138.58,77.66) v7(138.58,75.17) v7(138.58,72.66) v7(138.58,70.17) v7(138.58,67.66) v7(138.58,65.17) v7(138.58,62.66) v7(138.58,60.17) v7(138.58,57.66) v7(138.58,55.17) v7(138.58,52.66) v7(138.58,50.17) v7(138.58,42.66) v7(138.58,40.17) v7(138.58,37.66) v7(138.58,35.17) v7(138.58,32.66) v7(138.58,30.17) v7(138.58,27.66) v7(138.58,25.17) v7(138.58,22.66) v7(138.58,15.17) v7(138.58,12.66) v7(138.58,10.15) v8(19.05,68.1) v8(19.05,65.56) v8(19.05,63.02) v8(24.65,66.83) v8(24.65,64.29) v8(24.65,61.75) v8(31.83,38.87) v8(31.83,38.27) v8(31.83,37.67) v8(32.43,38.87) v8(32.43,37.67) v8(33.03,38.87) v8(33.03,38.27) v8(33.03,37.67) v8(77.04,85.74) v8(77.04,85.14) v8(77.04,84.54) v8(77.64,85.74) v8(77.64,84.54) v8(78.24,85.74) v8(78.24,85.14) v8(78.24,84.54) v8(84.79,87.77) v8(84.79,87.17) v8(84.79,86.57) v8(85.39,87.77) v8(85.39,86.57) v8(85.66,37.62) v8(85.66,35.08) v8(85.66,32.54) v8(85.99,87.77) v8(85.99,87.17) v8(85.99,86.57) v8(91.26,36.35) v8(91.26,33.81) v8(119.21,59.07) v8(119.21,58.47) v8(119.21,57.87) v8(119.33,65.8) v8(119.33,65.2) v8(119.33,64.6) v8(119.81,59.07) v8(119.81,57.87) v8(119.93,65.8) v8(119.93,64.6) v8(120.41,59.07) v8(120.41,58.47) v8(120.41,57.87) v8(120.53,65.8) v8(120.53,65.2) v8(120.53,64.6) v8(120.62,52.73) v8(120.62,52.13) v8(120.62,51.53) v8(121.22,52.73) v8(121.22,51.53) v8(121.82,52.73) v8(121.82,52.13) v8(121.82,51.53) v9(45.52,89.19) v9(45.52,88.19) v9(46.52,90.19) v9(46.52,89.19) v9(46.52,88.19) v9(46.52,87.19) v9(65.46,89.57) v9(65.46,88.57) v9(66.46,90.57) v9(66.46,89.57) v9(66.46,88.57) v9(67.46,88.57) v9(104.72,80.53) v9(104.72,79.54) v9(104.72,78.54) v9(104.72,77.55) v9(105.71,80.53) v9(105.71,78.54) v9(105.71,77.55) v9(106.71,80.53) v9(106.71,79.54) v9(106.71,78.54) v9(106.71,77.55) v9(120.47,80.53) v9(120.47,79.54) v9(120.47,78.54) v9(120.47,77.55) v9(121.47,80.53) v9(121.47,79.54) v9(121.47,78.54) v9(121.47,77.55) v9(122.46,80.53) v9(122.46,79.54) v9(122.46,78.54) v9(122.46,77.55) v9(123.46,80.53) v9(123.46,79.54) v9(123.46,78.54) v9(123.46,77.55)
